# KiCad board A64-OlinuXino_Rev_E.kicad_pcb (continued)
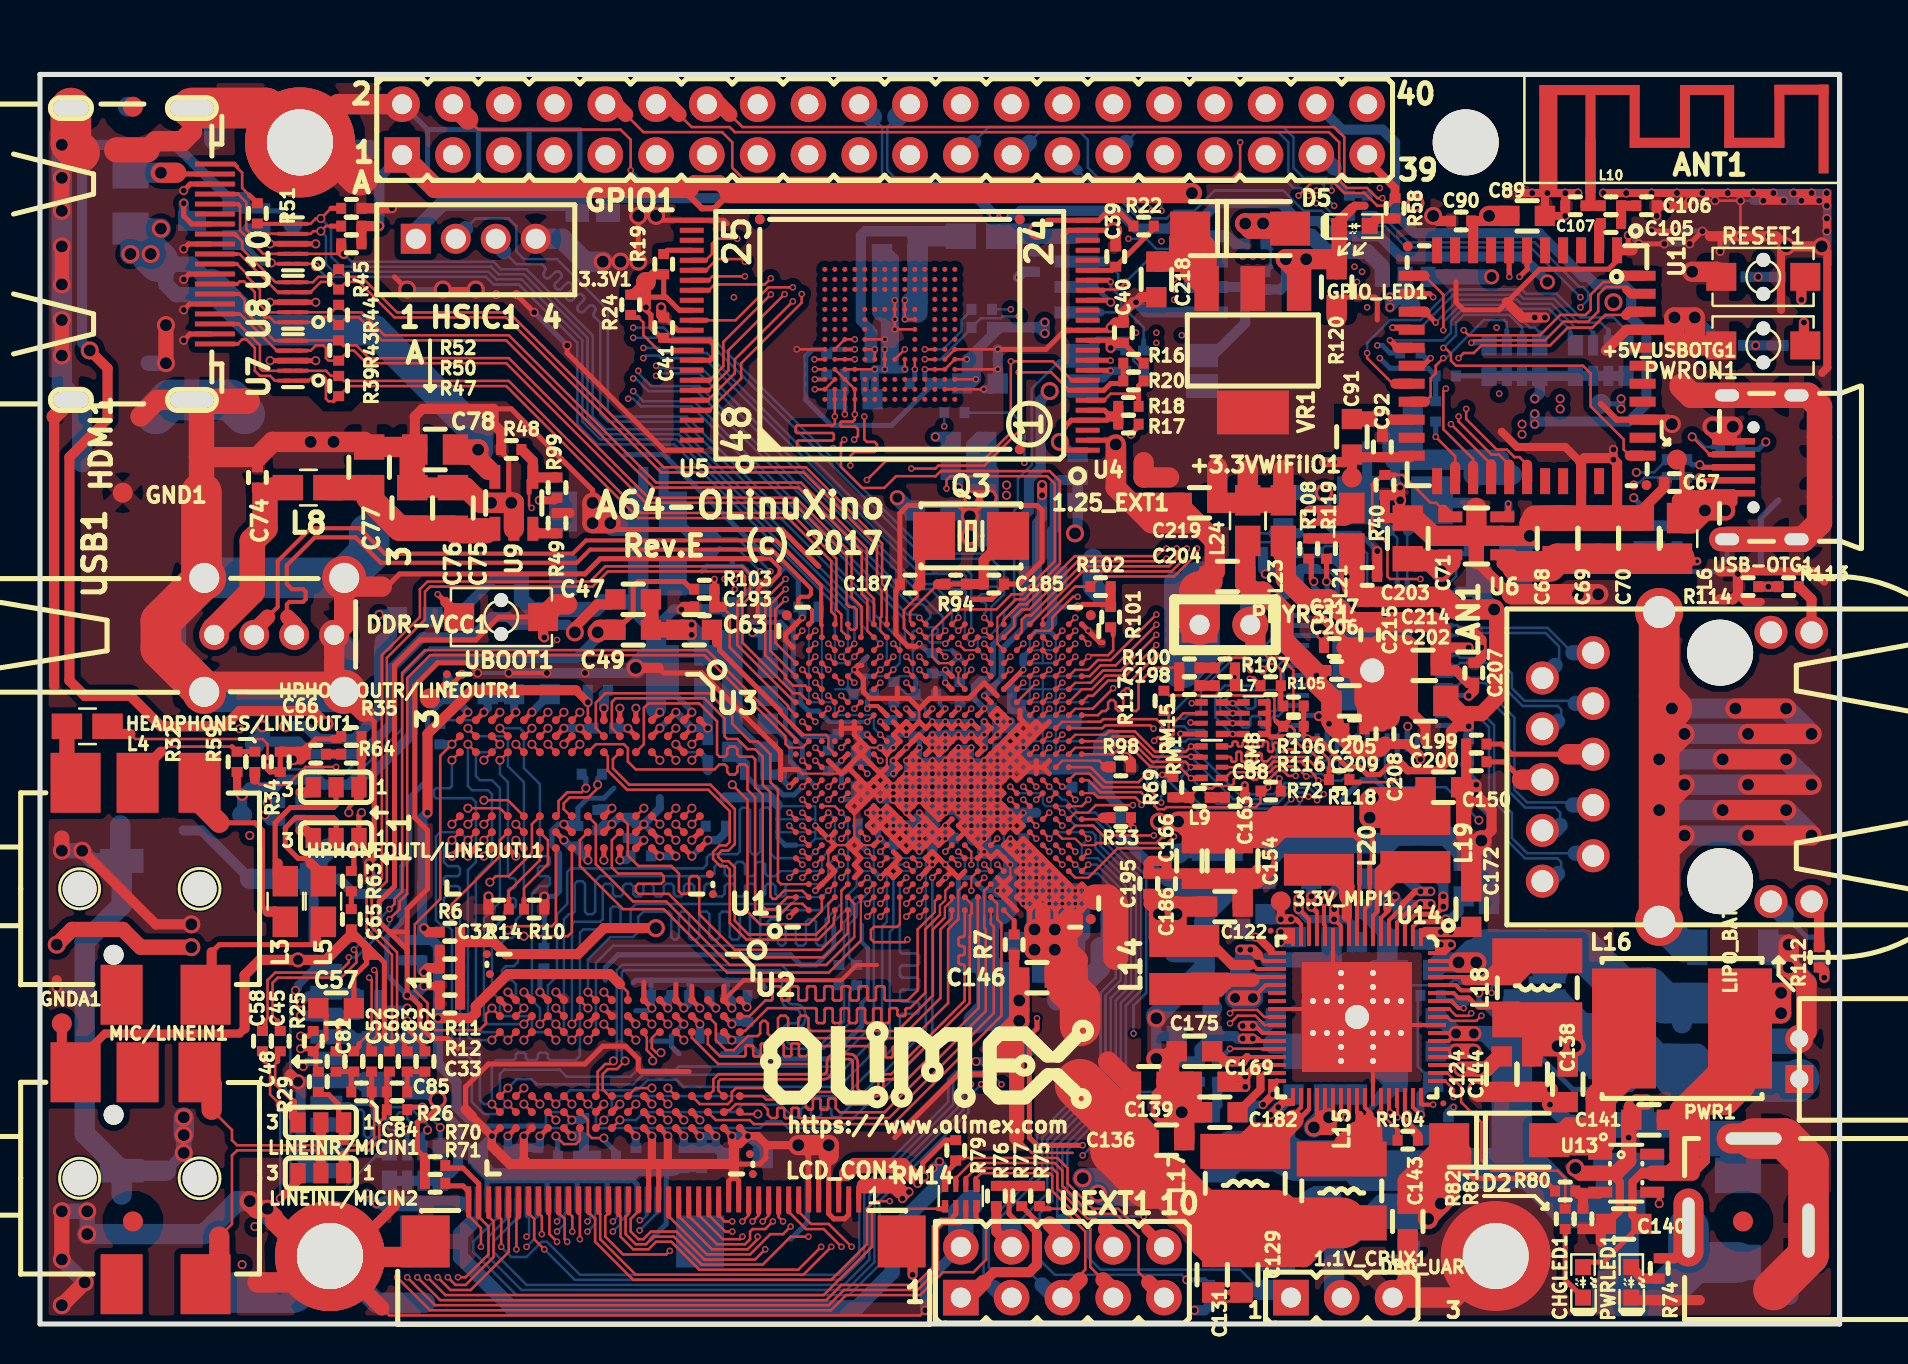
[diagram p0: board, top side]
## Routing (per net, layer and track width the routed paths; a pad name or vN(x,y) marks a point on that pad's centre or on a via; arc(x,y) is an arc through that point) (continued)
+5V: length 329.2
  Top w0.254: 41.22,6.91 40.94,6.63 LCD_CON1.1
  Top w0.305: 32.46,56.82 32.46,56.44 33.1,55.8 33.73,55.8 34.37,56.44 34.37,56.69
  Top w0.406: 43,6.66 43.41,6.66 v3(43.46,6.6) v3(43.13,6.27)
  Top w0.508: 22.43,42.72 22.75,42.4 U9.5 ; C78.1 21.28,43.23 21.92,43.23 ; 69.42,38.28 69.61,38.47 70.53,38.47 70.53,38.12 ; 69.8,37.9 68.78,37.9 C71.1 ; R47.1 R50.1 v3(16.97,54.91)
  Top w0.762: 41.22,6.91 42.75,6.91 43,6.66 ; 32.46,56.82 32.71,57.07 33.99,57.07 34.49,56.57
  Top w1.016: 21.92,43.74 21.9,43.74 v2(21.91,43.73) ; 21.92,43.74 C78.1 ; 21.92,43.74 21.92,43.23 22.43,42.72 ; 32.46,56.82 19.76,56.82 GPIO1.1 ; 70.53,38.12 70.53,38.12 v2(70.06,37.64) 70.05,37.64 69.42,38.28 C71.1 ; v2(57.61,56.57) 34.49,56.57
  In2.Cu w1.016: v2(78.69,51.1) 76.66,53.14 74.5,53.14 73.61,54.03 65.48,54.03 64.34,55.17 63.07,55.17 61.67,56.57 v2(57.61,56.57)
  In3.Cu w1.016: v2(78.69,51.1) 78.69,47.68 78.18,47.17 78.18,44.63 72.34,38.79 71.2,38.79 v2(70.06,37.64)
  In4.Cu w0.406: v3(43.46,6.6) 43.46,6.58
  In4.Cu w0.508: v3(43.46,6.6) v3(43.13,6.27) 43.88,5.52 44.54,5.52 v3(43.46,6.6)
  In4.Cu w0.762: v2(4.52,53.52) v2(5.54,53.52)
  In4.Cu w1.016: 16.33,1.19 16.08,0.94 11.63,0.94 11.63,1.45 11,1.45 ; 16.97,1.19 16.97,1.58 16.97,1.19 ; 16.97,1.19 16.97,3.23 17.09,3.35 ; v2(6.05,54.79) 6.05,54.03 v2(5.54,53.52) ; 21.92,2.59 21.16,3.35 ; 51.64,6.78 v2(52.15,7.29) v2(52.91,6.53)
  In4.Cu w1.27: 14.68,61.39 14.55,61.52 11.38,61.52 10.36,60.5 ; 51.64,6.78 51.89,6.53 v2(52.91,6.53) ; 11.63,1.45 11.63,4.11 14.05,6.53 v3(16.33,6.53) v3(16.84,6.02) ; v3(16.84,6.02) 17.09,5.77 17.09,3.35 21.16,3.35 ; v3(16.84,6.02) 16.97,5.89 ; 4.52,54.79 v2(6.05,54.79) 7.57,54.79 9.22,56.44 14.3,56.44 16.84,58.98 ; 21.92,1.19 21.92,2.59
  In4.Cu w1.524: 14.68,61.39 15.82,60.25 15.82,59.99 17.35,58.47 GPIO1.1 ; 10.36,60.5 8.97,59.11 5.41,59.11 4.52,58.22 4.52,54.79 ; 16.33,1.19 21.92,1.19 22.17,1.45
  In4.Cu w2.032: 22.3,1.45 22.17,1.45 40.46,1.45 45.8,6.78 51.64,6.78 ; 4.52,54.79 v2(4.52,53.52) 4.65,53.39 4.65,44.63 2.74,42.72 2.74,27.36 5.54,24.56 5.54,5.51 9.6,1.45 11,1.45
  Bottom w0.254: 21.03,6.02 21.28,6.02 21.36,6.1 MIPI-DSI1.1
  Bottom w0.508: GPIO1.1 16.97,57.33 v3(16.97,54.91) ; 64.59,5.64 64.38,5.85 FET2.3 ; 17.22,6.02 v3(16.84,6.02) v3(16.33,6.53)
  Bottom w0.762: 21.03,6.02 17.22,6.02 ; 6.05,53.01 7.57,53.01 8.58,51.99 8.08,51.49 6.81,51.49 6.3,51.99 6.3,52.76 6.05,53.01 ; 6.05,53.01 5.92,53.14
  Bottom w1.016: v2(6.05,54.79) 5.54,54.79 ; 5.54,54.79 5.54,54.66 5.54,54.79 ; 5.54,54.79 4.52,54.79 4.52,54.78 v2(4.52,53.52) v2(5.54,53.52) 5.54,54.79 ; 52.53,6.91 v2(52.15,7.29) 52.91,7.29 53.29,6.91 52.53,6.91 ; 52.53,6.91 v2(52.91,6.53) ; 63.96,5.89 64.38,6.31 FET2.3 ; 57.35,5.89 57.35,6.15 57.1,6.15 5V_E1.2 59.89,5.26 59.89,3.99
  Bottom w1.524: 8.71,51.87 8.58,51.99 10.87,49.71 16.71,49.71 21.91,44.51 v2(21.91,43.73)
  Bottom w2.032: 53.29,6.91 56.34,6.91 59.26,3.99 61.58,3.99 D3.1 61.93,3.86 63.96,5.89 ; v2(5.54,53.52) 5.92,53.14
+5V_EXT: length 60.4
  Top w0.203: U14.58 70.79,14.55 v1(70.81,14.53) 70.44,14.15 U14.57
  Top w0.508: R74.1 81.74,3.29 82.44,3.99 PWR1.+ 82.44,3.74
  Top w0.762: v1(70.81,14.53) v1(71.7,14.53)
  Bottom w0.762: v1(71.7,14.53) 73.61,14.53 73.61,13.89 72.85,13.89 72.21,14.53 v1(71.7,14.53) ; v1(71.7,14.53) v1(70.81,14.53) 70.05,15.29 C121.1
  Bottom w1.016: 59.26,8.31 59.26,7.92 5V_E1.1 ; 66.56,7.35 66.24,7.67 FET2.1 66.56,7.35
  Bottom w1.27: 78.82,7.54 C119.2 C118.2
  Bottom w2.032: 74.5,7.8 76.49,5.81 FUSE2.1 ; 74.5,7.8 73.61,8.69 73.61,13.89 ; 74.5,7.8 71.2,7.8 71.07,7.67 66.24,7.67 65.74,8.18 62.81,8.18 D3.2 59.6,8.65 59.26,8.31 ; 78.82,7.54 78.82,5.93 FUSE2.1 ; FUSE2.1 FUSE2.2 81.06,1.41 82.44,2.79 ; 82.44,2.79 82.44,3.08 D1.1 ; 82.44,2.79 PWR1.+
+5V_USBOTG: length 63.6
  Top w0.203: v1(71.07,12.75) 70.87,12.95 U14.54
  Top w0.254: +5V_USBOTG1.1 82.12,42.98 82.12,42.22 C67.1
  Top w0.406: v2(84.28,40.69) 84.68,41.1 84.68,41.33 ; 83.26,41.33 83.49,41.55 84.68,41.55 84.68,41.33 ; 83.26,41.33 v2(83.26,40.69) ; 83.26,41.33 84.68,41.33
  Top w0.508: C67.1 82.25,41.45 81.99,41.2
  Top w0.762: v1(71.07,12.75) v1(71.96,12.75) 72.34,12.75 72.97,13.39 C124.1 ; 83.26,41.33 82.12,41.33 81.99,41.2 L6.2
  Top w1.016: v2(83.26,40.69) 82.37,40.69 L6.2 82.25,40.06 82.63,40.06 v2(83.26,40.69) ; v2(83.26,40.69) v2(84.28,40.69)
  In2.Cu w0.762: 72.34,12.75 73.99,12.75 73.99,13.39 ; 72.34,12.75 72.59,12.75 v1(71.96,12.75) v1(71.07,12.75) ; 72.34,12.75 72.34,13 73.99,14.66
  In2.Cu w1.016: v2(84.28,40.69) v2(83.26,40.69) 82.5,40.69 81.99,40.18
  In2.Cu w2.032: 73.99,13.39 73.99,18.21 71.7,20.5 71.7,21.89 70.43,23.17 70.43,28.88 69.93,29.39 69.93,35.23 72.09,37.39 75.39,37.39 76.91,38.91 80.72,38.91 81.99,40.18
/Power Supply, Extensions and MiPi-DSI/1.8V_DVDD-CSI: length 68.5
  Top w0.203: 69.29,19.61 69.06,19.38 U14.1
  Top w0.508: 69.29,19.61 v3(70.05,19.61) v3(70.56,19.61) 71.32,19.61 C172.2
  In2.Cu w0.508: v2(68.78,56.06) 67.77,57.07 67.77,59.11 67.13,59.74 63.07,59.74 61.8,61.01 GPIO1.36
  In3.Cu w0.508: v3(70.05,19.61) v3(70.56,19.61) 70.94,19.99 70.94,22.53 70.69,22.78 70.69,25.58 70.94,25.83 70.94,29.52 70.69,29.77 70.69,34.98 72.34,36.63 75.01,36.63 78.05,39.67 80.34,39.67 81.23,40.56 81.23,43.61 80.72,44.12 80.72,47.68 80.72,48.69 80.72,51.61 79.45,52.88 78.44,52.88 77.93,53.39 71.32,53.39 70.56,54.15 69.42,54.15 68.78,54.79 v2(68.78,56.06)
/Power Supply, Extensions and MiPi-DSI/2.8V_AVDD-CSI: length 69.7
  Top w0.203: 63.83,20.62 63.86,20.59 U14.14
  Top w0.254: 63.83,20.62 v3(63.58,20.88)
  Top w0.508: v3(63.58,20.88) v3(63.58,21.39)
  In2.Cu w0.508: v3(74.75,45.52) v3(74.75,45.01) 74.75,43.75 73.73,42.72 72.85,42.72 70.94,40.82 68.91,40.82 67.39,39.29 66.62,39.29 66.12,38.79 66.12,36.83 65.48,36.2 65.48,34.98 64.47,33.96 64.47,31.04 65.23,30.28 65.23,29.52 64.72,29.01 64.72,26.25 63.58,25.1 v3(63.58,21.39) v3(63.58,20.88)
  Bottom w0.508: C164.2 v3(63.58,21.39) v3(63.58,20.88) ; v3(74.75,45.52) v3(74.75,45.01) 74.88,45.14 79.45,45.14 80.34,46.02 80.34,49.58 79.58,50.34 79.58,51.61 79.2,51.99 77.8,51.99 77.42,52.38 77.16,52.38 74.98,54.56 68.76,54.56 67.77,55.55 67.77,59.11 67.13,59.74 65.1,59.74 GPIO1.38
/Power Supply, Extensions and MiPi-DSI/3.3V_MIPI: length 63.4
  Top w0.203: 62.94,20.12 63.06,20 U14.16
  Top w0.254: 62.94,20.12 62.81,20.24 v3(62.56,20.24) ; v3(44.98,8.13) 45.01,8.1
  Top w0.406: v3(62.05,20.24) 3.3V_MIPI1.1
  Top w0.508: v3(62.56,20.24) v3(62.05,20.24)
  In3.Cu w0.406: 61.86,20.43 62.37,20.43 v3(62.56,20.24) ; v3(44.98,8.13) v3(44.65,7.8) 45.03,7.8 45.16,7.92
  In3.Cu w0.508: 61.86,20.43 v3(62.05,20.24) v3(62.56,20.24)
  In3.Cu w0.762: 61.86,20.43 60.21,20.43 57.48,17.7 57.48,15.52 56.23,14.28 55.45,14.28 54.81,13.64 53.8,13.64 48.08,7.92 45.16,7.92
  Bottom w0.254: 21.54,5 21.86,5.33 MIPI-DSI1.2
  Bottom w0.406: 45.03,7.8 45.03,8.08 v3(44.98,8.13) v3(44.65,7.8) ; v3(62.56,20.24) v3(62.05,20.24)
  Bottom w0.508: v3(62.05,20.24) 61.54,20.24 C162.2
  Bottom w0.762: 45.03,7.8 45.03,7.04 42.62,4.62 42.62,2.59 40.84,0.81 23.57,0.81 21.03,3.35 21.03,4.5 21.54,5
/USB&HDMI,WiFi&BT,Ethernet,LCD/VDD33: length 99.8
  Top w0.254: v3(62.32,29.29) 62.24,29.37 61.54,29.37 61.4,29.51 RM8.1.1 61.42,29.51 61.42,30.02 61.24,30.02 RM8.2.1 61.42,30.05 61.42,30.53 61.23,30.53 RM8.3.1 61.42,30.55 61.42,31.1 61.22,31.1 RM8.4.1 ; v3(67.77,28.25) 67,27.48 66.37,27.48 65.99,27.86 65.35,27.86 63.96,29.26 v3(63.39,29.26) 63.19,29.45 R116.2 R106.1
  Top w0.381: 68.45,27.69 68.4,27.69 69.88,27.69 70.18,27.99 70.15,27.97
  Top w0.406: v3(67.77,28.25) 67.84,28.25 68.4,27.69
  Top w0.508: v3(65.35,37.39) C203.2 ; v3(64.08,34.47) 64.21,34.34 64.21,33.83 ; R108.2 R119.2 65.1,39.29 L21.1 ; 71.45,30.53 v3(71.45,29.9) 70.81,29.9 70.56,29.64 70.56,28.37 70.18,27.99
  Top w0.762: v2(72.72,35.74) 72.85,35.61 72.85,31.29 72.09,30.53 70.94,30.53
  Top w1.016: 70.94,30.53 C202.1 ; 65.61,37.26 65.61,36.88 66.12,36.37 70.18,36.37 70.81,35.74 v2(72.72,35.74)
  Top w1.27: L21.1 65.61,37.26 65.61,37.39
  In2.Cu w0.508: v3(64.08,34.47) 64.72,35.1 64.72,36.47 65.35,37.11 v3(65.35,37.39)
  In3.Cu w0.254: 85.67,19.86 83.51,17.7 78.31,17.7 76.78,19.23 73.48,19.23 72.97,19.74 72.97,28.37 v3(71.45,29.9) ; v2(72.72,35.74) 73.1,36.12 75.26,36.12 76.78,37.64 83.01,37.64 84.66,35.99 85.93,35.99 86.44,35.48
  In3.Cu w0.762: 85.67,19.86 86.56,20.75 86.56,21.13
  In3.Cu w1.016: 86.44,35.48 86.44,34.72 LAN1.11
  Bottom w0.254: 87.2,20.5 88.34,19.36 88.72,19.36 R111.1 ; v3(71.45,29.9) 71.41,29.94 U15.12 ; 70.43,35.61 70.26,35.44 U15.1 ; U15.40 65.37,37.37 v3(65.35,37.39) 65.35,37.52 64.72,38.15 R110.1 ; v3(64.08,34.47) 64.06,34.44 U15.34 ; U15.16 67.87,28.35 v3(67.77,28.25) ; v3(63.39,29.26) 62.34,29.26 v3(62.32,29.29)
  Bottom w0.508: 70.43,35.61 70.43,36.12 70.94,36.63 71.45,36.63 C201.1 ; C216.2 v3(71.45,29.9)
  Bottom w0.762: v2(72.72,35.74) 71.96,36.5 C201.1
  Bottom w1.016: 86.56,21.13 87.2,20.5
GND: length 3460.1
  Top w0.107: 37.92,27.74 38.13,27.53 40.07,27.53 ; v4(48.53,22.97) 48.53,22.33 ; U1.H13 42.35,27.85 ; 39.75,23.95 40.4,23.95 ; 40.72,25.58 40.72,24.28 ; v4(42.03,28.83) 41.38,28.83 ; 39.43,22.97 39.43,23.62 ; 43.97,30.12 43.97,30.78 ; U1.G6 41.05,23.95
  Top w0.127: v3(83.77,56.19) v3(85.04,56.19) v3(85.04,54.41) ; 51.64,8.56 49.61,8.56 48.84,9.32 ; v3(44.27,0.69) 44.02,0.43 17.47,0.43 17.09,0.81 ; U5.E7 v4(42.25,49.25) ; U5.C4 v4(41.75,47.75) ; v4(42.75,51.2) U5.H10 v4(42.75,50.25) v4(42.75,49.75) U5.K8 ; v4(42.25,47.75) U5.G5 v4(42.25,48.75) ; U5.N2 v4(47.2,46.75) ; U5.A6 v4(37.85,48.75) ; U5.N5 U5.P6 v4(47.9,48.75) ; U5.J5 v4(43.25,47.75) ; U5.P4 v4(47.9,47.75)
  Top w0.203: U14.69 66.26,14.95 U14.59 ; U14.69 64.66,16.55 U14.12 ; U14.69 U14.69 U14.45 ; U14.69 65.46,15.75 U14.25 ; v3(25.35,32.56) v3(23.44,32.56) ; 36.14,37.01 36.27,37.13 36.6,37.13 36.98,37.52 36.98,37.82 36.53,38.28 36.14,38.28 ; 36.14,37.01 35.89,36.75 35.89,35.48 35.76,35.36 ; 36.14,37.01 36.02,37.13 ; 41.86,17.96 40.84,17.96 40.08,17.2 35.2,17.2 U2.B1
  Top w0.254: v5(47.22,26.88) U1.T10 ; v5(47.22,26.88) U1.R11 ; v5(47.22,26.88) U1.R10 ; v5(47.22,26.88) U1.T11 ; U1.T10 v5(47.22,26.22) ; U1.T10 v5(47.88,26.22) ; U1.T10 v5(47.88,26.88) ; v5(43.97,27.53) U1.K11 ; v5(43.97,27.53) U1.K12 ; v5(43.97,27.53) U1.L12 ; v5(43.97,27.53) U1.L11 ; U1.K11 v4(43.32,27.53) ; U1.K11 v5(43.32,26.88) ; U1.K11 v5(43.97,26.88) ; v4(48.53,25.58) U1.U8 ; v4(48.53,25.58) U1.V8 ; v4(48.53,25.58) U1.U9 ; U1.U8 47.55,24.6 ; U1.U8 v4(48.53,24.92) ; U1.U8 v5(47.88,25.58) ; v5(43.32,26.88) U1.K10 ; v5(43.32,26.88) U1.J11 ; v5(43.32,26.88) U1.J10 ; U1.K10 v5(43.97,26.88) ; U1.K10 v5(43.97,26.22) ; U1.K10 v5(43.32,26.22) ; v3(7.19,53.77) 7.43,54.02 8.55,54.02 ; v3(7.19,52.25) 7.46,52.52 8.55,52.52 ; v3(7.19,50.72) 7.48,51.02 8.55,51.02 ; v3(7.19,49.2) 7.51,49.52 8.55,49.52 ; v3(7.19,56.69) 7.51,57.02 8.55,57.02 ; 40.4,27.85 41.05,28.5 ; 40.4,27.85 41.05,27.2 ; 40.4,27.85 40.07,27.53 39.43,28.17 ; 41.05,28.5 41.38,28.83 41.05,29.15 ; 41.05,28.5 40.72,28.83 41.05,29.15 ; 41.05,28.5 42.03,27.53 ; 41.38,26.22 41.05,26.55 ; 41.38,26.22 41.7,26.55 ; 41.38,26.22 41.05,25.9 ; 41.05,26.55 41.38,26.88 ; 41.05,26.55 40.72,26.22 ; 41.05,26.55 40.72,26.88 41.05,27.2 ; 41.38,26.88 U1.G11 ; 41.38,26.88 41.7,26.55 ; 41.38,26.88 41.05,27.2 ; 41.05,25.9 40.72,26.22 ; 41.05,25.9 40.72,25.58 40.4,25.9 40.72,26.22 ; 41.05,29.15 40.72,29.47 40.72,29.8 ; 40.72,29.8 40.72,30.12 ; 40.72,29.8 40.07,29.8 ; 40.72,29.8 41.05,29.8 ; 44.4,31.2 44.3,31.1 ; 44.4,31.2 44.49,31.29 44.78,31.29 ; 44.4,31.2 43.97,30.78 43.46,31.29 42.88,31.29 ; 44.78,31.29 46.44,31.29 47.22,32.08 47.88,31.42 ; 44.78,31.29 44.78,31.8 ; 46.57,24.28 U1.R7 ; 46.57,24.28 U1.R6 ; 46.57,24.28 U1.P7 ; U1.R7 v4(47.22,24.28) ; U1.R7 v5(47.22,24.92) ; U1.R7 v5(46.57,24.92) ; 48.53,28.17 48.85,28.5 ; 48.53,28.17 U1.U12 ; 48.53,28.17 48.85,27.85 ; 48.53,28.17 48.2,28.5 ; 48.85,28.5 v4(49.18,28.83) ; 48.85,28.5 49.18,28.17 ; 48.85,28.5 48.53,28.83 ; 48.85,27.85 v4(48.53,27.53) ; 48.85,27.85 49.18,27.53 ; 48.85,27.85 49.18,28.17 ; v4(48.53,27.53) 48.85,27.2 49.18,27.53 ; v4(48.53,27.53) U1.U11 ; v4(48.53,27.53) U1.U12 ; 48.2,28.5 v4(47.88,28.17) ; 48.2,28.5 47.88,28.83 ; 48.2,28.5 48.53,28.83 ; v4(47.88,28.17) U1.T12 ; v4(47.88,28.17) U1.T13 ; v4(47.88,28.17) U1.U12 ; 47.88,28.83 U1.T13 ; 47.88,28.83 48.2,29.15 ; 48.53,29.47 U1.V14 ; 48.53,29.47 48.2,29.15 ; 48.53,29.47 48.85,29.8 ; U1.V14 48.53,28.83 ; U1.V14 49.18,29.47 ; U1.V14 v4(49.18,28.83) ; v4(49.18,28.83) 49.5,29.15 ; 48.53,28.83 48.2,29.15 ; 49.18,28.17 49.5,27.85 ; 49.5,27.85 49.18,27.53 ; 49.5,27.85 49.82,27.85 ; 49.18,29.47 49.5,29.15 ; 49.18,29.47 49.5,29.8 ; 49.18,29.47 48.85,29.8 ; 49.5,29.15 49.82,29.47 ; 48.85,29.8 49.18,30.12 ; 49.18,30.12 49.5,29.8 ; 49.18,30.12 49,30.3 49,30.7 ; 49.5,29.8 49.82,30.12 50.15,29.8 ; 49.5,29.8 49.82,29.47 ; 49.82,29.47 50.15,29.8 ; 44.62,25.58 U1.M8 v4(45.28,25.58) ; 44.62,25.58 U1.L9 ; 44.62,25.58 U1.M9 ; U1.J15 43.32,30.12 43.65,29.8 ; U1.J15 42.68,30.12 ; U1.J15 42.68,29.47 U1.J14 v4(42.68,28.83) U1.H13 v4(42.03,28.83) ; U1.J15 v4(43.32,29.47) 43.65,29.8 ; U1.G11 42.03,27.53 ; U1.G11 42.03,26.88 ; 41.7,26.55 42.03,26.88 ; 41.7,26.55 v4(42.03,26.22) 42.35,26.55 ; 42.35,27.2 v5(42.68,26.88) ; 42.35,27.2 42.03,26.88 ; 42.35,27.2 42.03,27.53 ; v5(42.68,26.88) U1.J11 ; v5(42.68,26.88) 42.35,26.55 ; v5(42.68,26.88) U1.J10 ; 42.03,27.53 42.35,27.85 ; v4(47.22,23.62) 47.55,23.3 47.88,23.62 U1.U5 v4(48.53,22.97) ; v4(47.22,23.62) U1.R5 ; v4(47.22,23.62) U1.R6 ; U1.P8 45.93,24.92 U1.P7 ; U1.P8 v5(46.57,25.58) ; U1.P8 v5(46.57,24.92) ; U1.P8 v4(45.93,25.58) ; 46.25,22.65 45.93,22.33 U1.N4 ; 42.68,22.97 43,22.65 42.68,22.33 U1.H4 ; 42.68,22.97 43,23.3 42.68,23.62 ; 42.68,22.97 U1.H4 ; v5(47.88,26.88) 48.2,26.55 v5(47.88,26.22) ; v5(47.88,26.88) U1.T11 ; v5(47.88,26.88) U1.U11 ; 49.82,27.85 50.15,27.85 ; 49.82,27.85 49.82,28.17 ; 49.82,27.85 49.82,27.53 ; 50.15,27.85 50.47,28.17 ; 50.15,27.85 50.47,27.53 ; 50.15,29.8 50.47,30.12 ; 22.68,45.77 23.57,45.77 27.64,41.71 v2(27.64,41.07) ; 38.94,7.8 38.94,7.8 ; 38.94,7.8 38.94,7.93 39.45,8.43 39.44,8.43 LCD_CON1.4 39.44,5.52 39.7,5.26 40.23,5.26 40.44,5.46 LCD_CON1.2 ; 38.94,7.8 LCD_CON1.5 ; 36.3,9 36.3,8.3 36,8 34.7,8 ; 30.94,7.4 30.94,7.42 ; 30.94,7.4 LCD_CON1.21 ; 30.94,7.4 30.94,8 30.9,7.96 30.9,7.9 30.9,8 ; 30.44,7.4 30.44,7.41 ; 30.44,7.4 30.44,8 30.4,8 ; 30.44,7.4 LCD_CON1.22 ; R48.1 23.06,43.61 23.44,43.23 23.44,41.58 23.57,41.45 v2(23.57,41.07) 23.95,40.69 ; v3(80.59,54.66) v3(81.86,54.66) ; 83.51,54.41 83.26,54.66 v3(83.13,54.66) v3(82.5,54.03) ; v3(81.23,54.03) v3(79.96,54.03) 79.64,53.7 ; v3(26.36,48.95) 26.36,48.56 31.23,43.7 U4.48 ; 36.14,38.28 28.02,38.28 27.25,37.52 17.98,37.52 17.35,36.88 17.09,36.88 ; v2(21.79,51.74) v2(20.14,51.74) ; v2(18.36,51.74) 17.73,52.38 ; C41.2 31.26,50.34 31.9,49.7 U4.36 ; v2(53.67,54.66) 53.63,54.7 U4.23 51.43,54.7 51.13,54.41 ; v2(30.81,55.42) 31.03,55.2 U4.25 34.2,55.2 34.37,55.04 ; v2(29.92,53.14) v2(29.92,55.42) ; v2(29.03,53.14) v2(28.14,53.14) ; 37.03,27.74 37.03,27.23 ; 37.03,27.74 37.92,27.74 ; 37.03,27.74 37.03,28.63 33.1,32.56 31.19,32.56 30.94,32.82 ; 44.95,23.3 v4(45.28,22.97) U1.N4 ; 44.95,23.3 44.62,23.62 U1.L5 v4(44.62,22.97) ; 44.95,23.3 v4(44.62,22.97) ; 42.88,31.29 42.88,31.8 ; 42.88,31.29 41.51,31.29 41.18,31.62 41.18,32.27 40.72,32.73 ; 40.72,32.73 v4(40.72,32.72) ; 40.72,32.73 40.93,32.94 41.1,32.94 ; 53.16,34.09 53.01,34.09 v4(52.43,34.67) U1.AC23 ; 32.46,12.62 30.05,12.62 29.92,12.75 29.92,13.26 29.29,13.89 28.14,13.89 27.25,13 22.43,13 21.28,11.86 21.28,10.72 ; 17.47,19.61 16.97,20.12 16.97,21.13 17.73,21.89 17.73,32.94 19,34.21 21.79,34.21 22.94,35.36 UBOOT1.2 ; 17.47,19.61 18.36,19.61 ; 17.47,19.61 18.36,18.72 18.36,18.59 ; 16.2,30.62 16.71,30.12 16.71,23.29 v3(16.46,23.04) ; 37.67,33.83 37.29,34.21 37.29,34.49 U1.A23 v4(38.12,35.33) ; 47.45,40.95 49.86,40.95 50.11,40.69 50.11,38.15 48.97,37.01 C185.2 ; 47.45,40.95 v2(47.45,41.33) ; 47.45,40.95 47.04,40.95 v2(46.5,40.4) 45.96,40.95 43.4,40.95 43,40.55 C187.2 ; C187.2 43,36.88 42.8,36.68 42.8,34.5 43.4,33.9 43.85,33.9 v4(43.97,34.03) ; C187.2 43,37.03 ; 46.69,36.25 47.57,36.25 48.21,36.88 C185.2 ; 18.36,19.61 18.36,20.75 19.38,21.77 19.38,24.69 18.75,25.32 18.75,31.93 19.89,33.07 21.38,33.07 v3(21.89,32.56) ; 18.36,19.61 18.36,18.59 ; U1.L9 v5(44.62,26.22) ; U1.L9 v5(43.97,26.22) ; 47.55,24.6 v5(47.22,24.92) ; 47.55,24.6 v4(47.22,24.28) ; 40.07,29.8 40.07,30.12 ; 40.07,29.8 40.07,29.47 ; U1.T13 v4(47.22,28.17) ; U1.M10 v5(45.28,26.88) ; U1.M10 v5(44.62,26.88) ; U1.M10 v5(44.62,26.22) ; U1.M10 v5(45.28,26.22) ; v5(45.28,26.88) U1.N10 ; v5(45.28,26.88) U1.N11 ; v5(45.28,26.88) U1.M11 ; v5(47.88,26.22) U1.U9 ; v5(47.88,26.22) U1.T9 ; U1.U2 48.85,20.7 ; U1.U2 v4(47.88,21.67) 48.2,22 ; U1.U2 48.53,21.67 48.2,22 ; U1.N4 v4(45.28,22.33) U1.M3 ; U1.T12 v4(47.22,28.17) ; U1.T12 v5(47.88,27.53) ; U1.T12 v5(47.22,27.53) ; U1.U9 v5(47.88,25.58) ; U3.B1 v3(32.6,30.6) ; U1.N9 v5(45.93,26.22) ; U1.N9 v5(45.28,26.22) ; U1.N9 v4(45.28,25.58) ; U1.N9 v4(45.93,25.58) ; v5(45.93,26.22) U1.P10 ; v5(45.93,26.22) U1.P9 ; v5(45.93,26.22) U1.N10 ; LCD_CON1.14 34.44,7.14 34.7,7.4 34.94,7.16 LCD_CON1.13 ; U3.E1 v3(29.8,30.8) ; U1.R6 v4(47.22,24.28) ; U3.B9 v3(32.6,23.4) ; 38.94,37.9 37.1,39.74 28.59,39.74 v2(28.52,40.06) ; UBOOT1.2 25.35,35.36 UBOOT1.2 ; v3(24.71,50.6) v3(23.83,51.49) v3(22.81,51.49) ; v5(45.93,27.53) U1.P12 ; v5(45.93,27.53) U1.P11 ; v5(45.93,27.53) U1.N12 ; v5(45.93,27.53) U1.N11 ; U1.P12 v5(46.57,27.53) ; U1.P12 v4(46.57,28.17) ; v5(46.57,24.92) U1.R8 ; v5(46.57,24.92) U1.P7 ; U1.R8 v5(46.57,25.58) ; U1.R8 v5(47.22,25.58) ; U1.R8 v5(47.22,24.92) ; v5(47.22,26.22) U1.R10 ; v5(47.22,26.22) U1.T9 ; v5(47.22,26.22) U1.R9 ; U1.R10 v5(46.57,26.22) ; U1.R10 v5(46.57,26.88) ; U3.P9 v3(22.2,23.4) ; U1.N10 v5(45.28,26.22) ; U1.N10 v5(45.93,26.88) ; 42.03,26.88 42.35,26.55 ; 42.75,9.32 45.92,12.5 47.19,12.5 48.34,13.64 ; 39.43,22.97 39.75,22.65 U1.C3 v4(38.78,21.67) ; 43.65,29.8 43.97,30.12 U1.L15 v4(44.62,30.12) U1.M15 v4(45.28,30.12) U1.N15 v4(45.93,30.12) 46.25,29.8 v4(46.57,30.12) U1.R15 ; U1.N11 v5(45.93,26.88) ; U1.N11 v5(45.28,27.53) ; v5(46.57,25.58) U1.R9 ; v5(46.57,25.58) U1.P9 ; U1.M9 v5(44.62,26.22) ; U1.M9 v5(45.28,26.22) ; U1.M9 v4(45.28,25.58) ; U3.T1 v3(21.4,30.6) ; v5(44.62,26.22) U1.L10 ; U1.J11 v4(43.32,27.53) ; U1.L10 v5(44.62,26.88) ; U1.L10 v5(43.97,26.88) ; U1.L10 v5(43.97,26.22) ; v5(47.22,24.92) U1.T8 ; C185.2 48.21,37.13 ; v4(48.53,24.92) U1.U7 v5(47.88,24.92) U1.T8 ; v4(48.53,24.92) U1.V8 ; v4(48.53,24.92) 48.85,24.6 49.18,24.92 U1.V8 ; v5(44.62,26.88) U1.M11 ; v5(44.62,26.88) U1.L11 ; v3(30.6,15.8) U2.G1 30.2,17.1 ; U1.R11 v5(47.22,27.53) ; U1.R11 v5(46.57,26.88) ; U1.R11 v5(46.57,27.53) ; U1.U11 v5(47.88,27.53) ; v5(47.88,25.58) U1.T9 ; v5(47.88,25.58) U1.T8 ; U1.T9 v5(47.22,25.58) ; U1.R9 v5(46.57,26.22) ; U1.R9 v5(47.22,25.58) ; v4(38.78,24.92) U1.C7 v4(39.43,24.28) ; v5(45.93,26.88) U1.P10 ; v5(45.93,26.88) U1.P11 ; U3.E8 v3(30.2,25) ; v4(43.97,22.33) U1.L4 v4(44.62,22.97) ; U2.T1 v3(23.4,15.8) ; 42.35,26.55 v5(42.68,26.22) ; U1.H4 v4(42.03,22.33) ; U1.M11 v5(45.28,27.53) ; U1.M11 v5(44.62,27.53) ; U1.J9 v5(42.68,26.22) ; U1.J9 v5(43.32,26.22) ; U1.J9 v4(43.32,25.58) ; v5(42.68,26.22) U1.J10 ; U1.L11 v5(44.62,27.53) ; U1.L11 v5(43.97,26.88) ; U7.3 v3(13.79,48.18) ; U1.K12 v4(43.32,27.53) ; U1.K12 v4(43.97,28.17) U1.K13 ; 34.2,16.9 U2.B1 v3(34.6,15.8) ; v5(43.97,26.22) U1.K9 ; U1.K9 v5(43.32,26.22) ; U1.K9 v4(43.32,25.58) ; U2.P1 v3(24.2,16.6) ; U1.U12 v5(47.88,27.53) ; v5(47.88,27.53) U1.T11 ; LCD_CON1.6 38.44,8.43 v2(37.92,8.95) ; U1.V8 v4(49.18,25.58) ; U1.R12 v4(47.22,28.17) ; U1.R12 v5(47.22,27.53) ; U1.R12 v5(46.57,27.53) ; U1.R12 v4(46.57,28.17) ; U1.T11 v5(47.22,27.53) ; 84.02,54.41 v3(84.02,53.65) ; v5(47.22,25.58) U1.T8 ; 40.72,23.62 40.4,23.95 40.72,24.28 41.05,23.95 40.72,23.62 ; 40.72,23.62 41.05,23.3 40.72,22.97 41.05,22.65 40.72,22.33 ; U2.D8 v3(33,10.2) ; 18.36,18.59 v3(18.36,16.43) 18.62,16.31 19,15.93 19,14.91 19.63,14.28 20.4,14.28 20.9,13.77 ; v5(44.62,27.53) U1.L12 ; v5(44.62,27.53) U1.M12 ; U1.L12 v4(44.62,28.17) ; U2.G8 v3(30.6,10.2) ; v2(48.97,16.18) 49.35,15.8 ; U3.G8 v3(28.6,25) ; U4.2 53.59,44.2 v2(53.8,43.99) ; v5(43.32,26.22) U1.J10 ; U1.K13 v4(43.97,28.83) ; U1.K13 v4(43.32,28.17) ; U1.P11 v5(46.57,26.88) ; U1.P11 v5(46.57,27.53) ; U1.P10 v5(46.57,26.88) ; U1.P10 v5(46.57,26.22) ; U2.F9 v3(31.4,9.4) ; U2.E2 v3(32.2,15) ; U10.3 v3(13.79,54.03) ; v5(46.57,26.22) U1.P9 ; 32.6,16.9 U2.D1 v3(33,15.8) ; v4(43.32,25.58) U1.K8 ; 48.2,22 47.88,22.33 ; 48.2,22 48.53,22.33 ; U7.8 v3(11.51,48.18) ; U8.8 v3(11.51,51.1) ; U1.M12 v4(45.28,28.17) U1.N13 v4(45.93,28.17) ; U1.M12 v5(45.28,27.53) ; U3.T9 v3(20.6,23.4) ; U3.M1 v3(24.6,30.6) ; v4(39.43,24.28) 39.75,23.95 39.43,23.62 ; v4(39.43,24.28) U1.D7 ; v3(32.2,10.2) U2.E8 ; U2.M1 v3(25.8,16.6) ; U2.B9 v3(34.6,9.4) ; U1.P7 45.93,24.28 ; v3(79.43,54.45) 79.43,53.76 79.38,53.7 U11.1 78.87,53.19 78.44,52.76 75.01,52.76 72.97,50.72 71.2,50.72 70.81,51.1 70.81,52.12 ; U1.N12 v4(45.93,28.17) ; U1.N12 v5(45.28,27.53) ; v4(47.9,48.75) 50.31,48.75 51.26,49.7 U4.13 53.41,49.7 v3(53.54,49.84) ; U1.P9 v4(45.93,25.58) ; U3.M9 v3(23.8,24.2) ; U2.P9 v3(24.2,9.4) ; v3(32.2,15.8) U2.E1 31.8,17 ; U8.3 v3(13.79,51.1) ; U3.G9 v3(28.2,23.2) ; U3.F9 v3(29,23.2) ; v4(45.93,28.17) U1.P13 ; U2.G9 v3(30.6,9.4) ; U1.P13 v4(45.93,28.83) ; U1.P13 v4(46.57,28.17) ; U1.G6 v4(42.03,24.28) ; U3.J8 v3(26.2,25) ; U2.T9 v3(22.6,9.4) ; U2.M9 v3(26.6,9.4) ; U10.8 v3(11.51,54.03) ; U3.G1 v3(28.2,30.8) ; U2.J2 v3(28.2,15.8) ; U2.A9 v3(35.4,9.4) ; U1.A1 v4(37.47,20.38) ; U3.J2 v3(26.2,29) ; U3.A9 v3(33.4,24.2) ; v3(31.8,29) U3.B3 ; U2.B3 v3(34.6,14.2) ; v3(29,11) U2.J8 ; v3(23,30.6) U3.P1 ; U3.E2 v3(29.4,29.8) ; U3.D8 v3(31,24.2) ; U3.D1 v3(31,30.6) ; 48.97,15.67 49.1,15.67 48.97,15.67
  Top w0.305: v4(45.93,28.17) U1.P12 ; U1.L12 v4(43.97,28.17) ; U11.36 78.85,45.23 78.05,46.02 ; U1.N13 v4(45.93,28.83) ; U1.P13 v4(46.57,28.83) ; U1.K12 v4(43.32,28.17) ; U1.N12 v4(45.28,28.17) ; U1.M12 v4(44.62,28.17)
  Top w0.406: C140.1 79.01,5.7 79.01,7.1 78.56,7.54 U13.2 ; v2(84.66,44.88) 84.66,44.17 84.68,44.15 ; 83.99,44.15 83.64,44.5 v2(83.64,44.88) 84.15,44.37 84.46,44.37 84.68,44.15 ; v3(34.6,9.4) 34.6,9.1 34.7,9 35,9 v3(35.4,9.4) 35.9,9.4 36.35,8.95 v2(37.92,8.95) ; 31.4,8 31.4,8.1 31.4,8 ; 31.4,8 v3(31.4,9.4) ; 73.1,44.63 73.86,43.87 76.28,43.87 77.04,43.1 ; 87.07,50.72 87.07,53.65 v2(87.32,53.9) ; 89.23,37.13 88.72,37.64 85.04,37.64 v3(84.91,37.52) ; 86.06,36.12 85.29,36.12 84.91,36.5 R114.1 ; 63.83,35.23 64.21,35.23 65.23,34.21 C217.1 ; 89.13,47.57 89.38,47.83 89.38,53.62 v2(89.1,53.9) ; 66.24,55.93 65.74,55.93 65.61,55.8 ; 84.68,44.15 84.12,44.15 ; v3(80.85,55.42) C106.1 v3(81.36,55.93) 82.25,55.93 v3(82.5,56.19) ; v3(87.71,56.57) v3(88.59,56.57) ; v3(86.69,56.57) v3(85.67,56.57) v3(84.4,56.57) v3(83.13,56.57) v3(81.86,56.57) v3(80.59,56.57) v3(79.32,56.57) v3(78.18,56.57) ; 21.6,10.4 v3(22.6,9.4) 22.6,8.9 ; v3(30.6,9.4) 30.6,8 ; v3(75.39,56.57) v3(76.28,56.57) ; v3(75.39,56.57) 75.26,56.44 C89.1 v3(76.28,55.42) C107.1 v3(76.28,56.57) ; v3(75.39,56.57) v3(74.62,56.57) v3(73.99,56.57) ; v3(75.39,56.57) 75.43,56.61 ANT1.2 ; v3(76.28,56.57) v3(76.91,56.57) ; v3(89.36,56.57) v3(89.36,55.93) ; v3(86.18,56.19) v3(87.2,56.19) ; v3(24.2,9.4) 24.2,8.2 ; R12.1 v3(19.2,16.9) ; v3(78.69,43.23) v3(78.69,43.74) ; C88.1 60.25,26.36 v4(60.25,26.95) ; v3(89.36,55.3) v3(89.36,54.66) ; v3(88.09,56.19) v3(88.98,56.19)
  Top w0.508: 78.05,4.75 R81.2 ; 78.05,4.75 78.05,4.11 ; 78.05,4.75 C140.1 ; 82.12,48.95 81.33,49.73 U11.41 79.35,49.73 78.31,48.69 ; v2(89.1,53.9) v2(87.32,53.9) 86.82,54.41 v3(86.44,54.41) v3(85.04,54.41) 83.51,54.41 ; C67.2 81.23,41.83 79.96,40.56 C70.1 ; 81.55,44.95 v2(81.61,45.01) 81.39,45.23 U11.36 ; C146.1 48.72,17.58 R7.1 ; 34.7,8 34.7,7.4 ; 34.7,8 34.7,9 ; 34.7,8 30.4,8 ; 30.4,8 24.4,8 ; 30.4,8 30.6,8 ; 24.4,8 24.2,8.2 ; 24.4,8 23.5,8 22.6,8.9 ; v2(7.57,19.99) 5.79,19.99 v2(2.11,23.67) ; 66.37,30.4 66.24,30.02 C209.1 66.37,29.9 67.13,29.9 C208.1 ; C215.1 66.5,32.82 U15.49 66.24,32.31 65.86,32.31 C206.1 ; C186.1 57.35,22.53 C166.1 ; C186.1 56.34,23.17 55.57,23.17 55.45,23.04 C195.1 C186.1 ; 71.32,26.97 71.2,26.97 71.07,26.85 ; 71.32,26.97 71.32,27.1 71.32,26.97 ; 71.32,26.97 v3(71.83,26.97) v3(71.83,26.47) ; 71.32,26.97 71.32,29.01 ; v3(25.22,34.34) 25.16,34.4 UBOOT1.2 ; v3(31.06,50.85) 31.06,50.47 C41.2 ; 23.95,40.82 23.7,41.07 ; v2(46.5,39.4) 46.5,40.2 ; v2(53.67,54.66) 53.8,54.53 C39.2 ; 71.83,38.15 73.48,36.5 73.61,36.5 ; v3(71.83,26.47) 72.59,25.7 72.59,24.69 v2(72.09,24.18) ; v3(71.83,26.47) 71.83,26.34 71.2,25.7 ; 78.94,40.31 78.94,40.44 78.94,40.38 78.87,40.31 U11.33 78.87,43.05 v3(78.69,43.23) 78.61,43.31 77.24,43.31 77.04,43.1 77.07,43.14 U11.31 77.07,40.31 77.04,40.31 ; 71.7,34.59 72.09,34.21 v3(72.09,33.83) 72.09,33.33 71.83,33.07 C207.1 ; v3(0.84,16.81) 0.84,17.2 ; v3(75.26,50.34) v3(74.75,50.34) 74.12,50.34 73.35,51.1 ; v3(59.38,1.83) 58.88,1.83 C131.1 58.88,1.32 v3(59.38,1.32) ; v3(59.38,1.83) 59.89,1.83 C129.1 59.89,1.32 v3(59.38,1.32) ; v3(59.38,1.83) v3(59.38,1.32) ; 84.02,37.64 84.78,37.64 v3(84.91,37.52) R114.1 ; 84.02,36.25 84.66,36.25 84.91,36.5 ; v3(16.46,22.53) v3(16.46,23.04) ; 0.71,45.38 0.71,31.93 ; 17.73,6.53 17.73,5.89 15.24,3.4 Mounting_hole2.0 ; v1(12.9,12.12) 12.52,12.5 ; 83.01,1.19 79.71,1.19 PWRLED1.1 ; 48.84,12.88 48.97,13 v2(48.97,15.16) ; 65.61,55.8 64.97,55.17 GPIO_LED1.1 ; 68.02,41.58 v6(68.02,41.2) 68.02,40.69 C71.2 ; 68.02,41.58 67.89,41.45 R40.1 67.26,40.31 C71.2 ; 68.02,41.58 v3(68.02,41.83) ; v3(43.64,2.46) 43.64,3.58 LCD_CON1.0 ; R10.2 v3(25.22,21.39) ; C90.1 69.93,55.17 v2(69.67,55.42) ; R14.2 v3(22.43,21.39) ; C92.1 v2(67.13,45.26) 67.16,45.23 U11.20 ; L7.2 59.75,31.94 v4(59.75,32.36) 59.75,32.8 R107.2 ; v3(53.54,49.84) 53.8,50.09 54.18,50.09 54.18,50.6 54.69,51.1 v3(54.81,51.1) 55.07,51.36 55.83,51.36 ; v3(54.31,28.37) 54.56,28.12 R98.2 ; R49.1 26.49,40.56 ; C78.2 18.75,45.39 19.13,45.77 22.68,45.77 22.68,45.01 23.06,44.63 R48.1 ; R12.1 C33.1 ; v3(17.6,55.8) R52.2 ; C71.2 68.28,40.18 ; C193.1 32.21,35.86 v3(32.08,35.74) ; U11.1 79.64,53.7 ; 21.6,10.4 21.28,10.72 ; v2(29.79,32.82) 30.94,32.82 ; 69.29,29.13 69.29,29.9 68.28,30.91 C202.2 ; C74.2 10.87,43.36 ; C203.1 v3(66.88,38.66)
  Top w0.711: v2(1.09,48.44) v2(1.09,50.22) ; v2(1.09,51.99) v2(1.09,53.9)
  Top w0.762: 71.96,11.61 v2(71.83,11.73) ; v2(76.78,7.8) 77.04,7.54 U13.2 78.82,7.54 79.45,8.18 v3(79.45,9.32) 79.45,10.08 C141.1 79.58,10.85 v3(79.83,11.1) v3(80.34,11.1) ; 71.83,39.29 71.83,38.15 ; v2(1.09,23.67) 1.09,24.31 ; 65.35,33.71 C217.1 ; 65.35,33.71 65.61,33.71 65.86,33.96 65.86,32.31 ; 65.35,33.71 C217.1 ; 65.35,33.71 C206.1 ; C217.1 65.35,33.96 C215.1 ; 71.07,26.85 71.2,26.72 71.2,24.44 71.77,23.86 ; 48.84,9.32 48.84,12.88 48.34,13.39 ; v2(6.3,49.96) v2(6.3,48.06) ; 11.76,5.13 11.76,5.39 v2(11.38,5.77) 10.87,5.77 ; v2(1.09,5.64) v2(1.09,3.23) ; v2(2.23,2.08) v2(1.09,0.94) ; R120.2 64.97,52.88 GPIO_LED1.1 ; HDMI1.0 0.71,45.38 ; Mounting_hole2.0 17.09,0.81 ; C138.2 76.28,10.97 v3(75.51,10.97) v3(75.51,11.73) 74.75,11.73 C144.2 ; v2(47.45,41.33) v1(46.56,41.33) ; v2(1.09,55.68) v2(1.09,57.33) ; v2(67.13,45.26) C91.1
  Top w1.016: v2(57.1,10.59) v2(56.08,10.59) 56.08,11.35 56.21,11.48 57.61,11.48 ; v2(57.1,10.59) 57.61,11.1 57.61,11.48 ; v2(57.1,10.59) 57.23,10.47 C136.1 ; v2(57.1,10.59) 58.12,10.59 ; v2(87.45,18.97) v2(87.45,17.83) 87.52,17.83 88.34,17.01 88.34,14.62 LIPO_BAT1.2 ; 71.83,39.29 71.7,39.42 71.83,39.42 ; 71.83,39.42 69.67,39.42 68.7,40.31 C71.2 ; 71.83,39.42 U6.2 73.14,39.42 v2(74.5,39.42) 74.5,40.06 74.75,40.31 ; 71.83,39.42 71.83,40.82 ; 82.75,48.95 82.75,49.07 82.75,48.95 ; 82.75,48.95 PWRON1.2 ; 82.75,48.95 v2(82.75,50.34) v2(81.74,50.34) 81.74,49.33 82.12,48.95 82.75,48.95 ; v2(23.57,41.07) 23.7,40.95 23.7,41.07 ; 56.46,13.26 v2(55.83,13.26) ; 56.46,13.26 56.46,12.24 56.34,12.12 C169.2 57.61,11.48 ; 56.46,13.26 C175.2 56.46,13.26 ; v2(82.63,52.63) 83.83,52.63 RESET1.2 ; 8.08,43.36 10.87,43.36 11.63,44.12 v2(13.54,44.12) v2(14.68,44.12) 16.2,44.12 C77.1 18.62,43.87 C78.2 ; C154.1 60.78,22.28 61.29,22.78 v2(61.29,23.17) ; C154.1 C122.1 ; C154.1 C163.1 C166.1 ; 66.37,30.4 C205.1 C202.2 ; 23.7,41.07 U9.2 ; 23.7,41.07 v2(22.56,41.07) 22.05,41.07 21.28,41.83 C75.1 C76.1 ; 58.75,39.17 58.75,39.04 ; 58.75,39.17 58.75,37.64 C204.1 ; 58.75,39.17 57.86,40.06 ; v2(72.09,24.18) 71.58,23.67 C172.1 ; 26.36,35.99 25.8,35.99 UBOOT1.2 ; 10.87,5.77 v2(10.49,6.15) ; 11.76,5.13 13.49,3.4 Mounting_hole2.0 ; 10.87,2.08 13.18,2.08 Mounting_hole2.0 ; 14.71,32.12 USB1.0 ; 14.71,32.12 8.71,32.12 USB1.0 ; 14.71,32.12 USB1.0 ; 14.71,32.12 USB1.4 15.21,34.97 USB1.0 15.65,36.88 17.09,36.88 ; USB1.0 16.2,30.62 ; 5.03,45.39 5.86,46.22 HDMI1.0 ; GPIO1.2 14.91,61.01 Mounting_hole3.0 ; LCD_CON1.0 18.51,3.35 14.55,3.35 Mounting_hole2.0 ; 54.81,41.07 C219.2 57.1,40.82 57.86,40.06 ; 5.35,58.73 5.79,59.16 7.12,59.16 7.6,59.64 HDMI1.0 ; C144.2 C124.2 71.96,11.61 ; 57.86,40.06 55.57,40.06 53.8,41.83 v2(53.8,43.99) ; v2(37.92,8.95) v2(39.45,8.95) 39.45,8.43 ; v2(77.93,36.5) v2(76.91,36.5) 73.61,36.5 ; R120.2 64.85,53.14 64.72,53.26 v2(63.32,53.26) v2(62.31,53.26) 62.97,52.6 VR1.1 ; C146.1 v2(48.97,16.18) v2(48.97,15.16) 48.34,14.53 48.34,13.39 48.34,13.64 ; v2(83.64,44.88) v2(84.66,44.88) ; Mounting_hole1.0 70.72,1.32 DBG_UART1.3 68.4,2.08 C143.1 ; 27.64,40.95 v2(28.52,40.06) v2(27.64,40.06) v2(27.64,41.07) 27.64,40.95
  Top w1.27: 82.12,46.91 82.58,46.45 USB-OTG1.0 USB-OTG1.0 88.42,46.45 88.99,45.88 USB-OTG1.0 USB-OTG1.0 88.99,40.07 88.17,39.25 USB-OTG1.0 USB-OTG1.0 ; C76.1 18.62,43.61 C78.2 ; 10.36,46.15 7.91,46.15 7.85,46.22 8.08,45.99 8.08,41.58 ; 2.07,46.22 2.05,46.24 1.75,46.22 ; 68.28,32.94 68.02,32.69 67.39,32.69 ; 68.28,32.94 68.28,33.83 67,33.83 66.62,33.45 U15.49 ; 68.28,32.94 C202.2 ; C205.1 66.37,32.44 U15.49 ; 67.39,32.69 U15.49 ; 67.39,32.69 67.39,30.4 ; C204.1 58.5,37.13 57.99,36.63 ; C70.1 C69.1 C68.1 ; U15.49 66.37,32.94 ; 76.15,40.31 74.75,40.31 ; 5.35,58.73 3.84,58.73
  Top w2.032: 57.99,36.37 57.99,36.63 PHYRST1.1 ; 1.98,58.6 1.55,59.03 HDMI1.0 ; 8.08,41.58 8.08,37.45 USB1.0 6.05,35.15 6.05,33.78 USB1.0 ; HDMI1.0 11.28,60.82 Mounting_hole3.0 14.31,59.1 15.95,57.45 ; 86.69,1.7 88.44,3.45 PWR1.- 88.44,8.08 87.24,9.28 PWR1.-